# Altium PCB ADAPTONE_CARTE_DE_SON_V2.PcbDoc (part 2 of 2)
Units mil, origin at the board's own origin, x right, y up, seen from the top; angles counter-clockwise.
Board outline 6000 x 4000 mil, 2 copper layers (Top Layer, Bottom Layer); 585 components, 362 nets, 1738 pads, 0 vias.
Unrouted connection lines stored in the file: 1315.
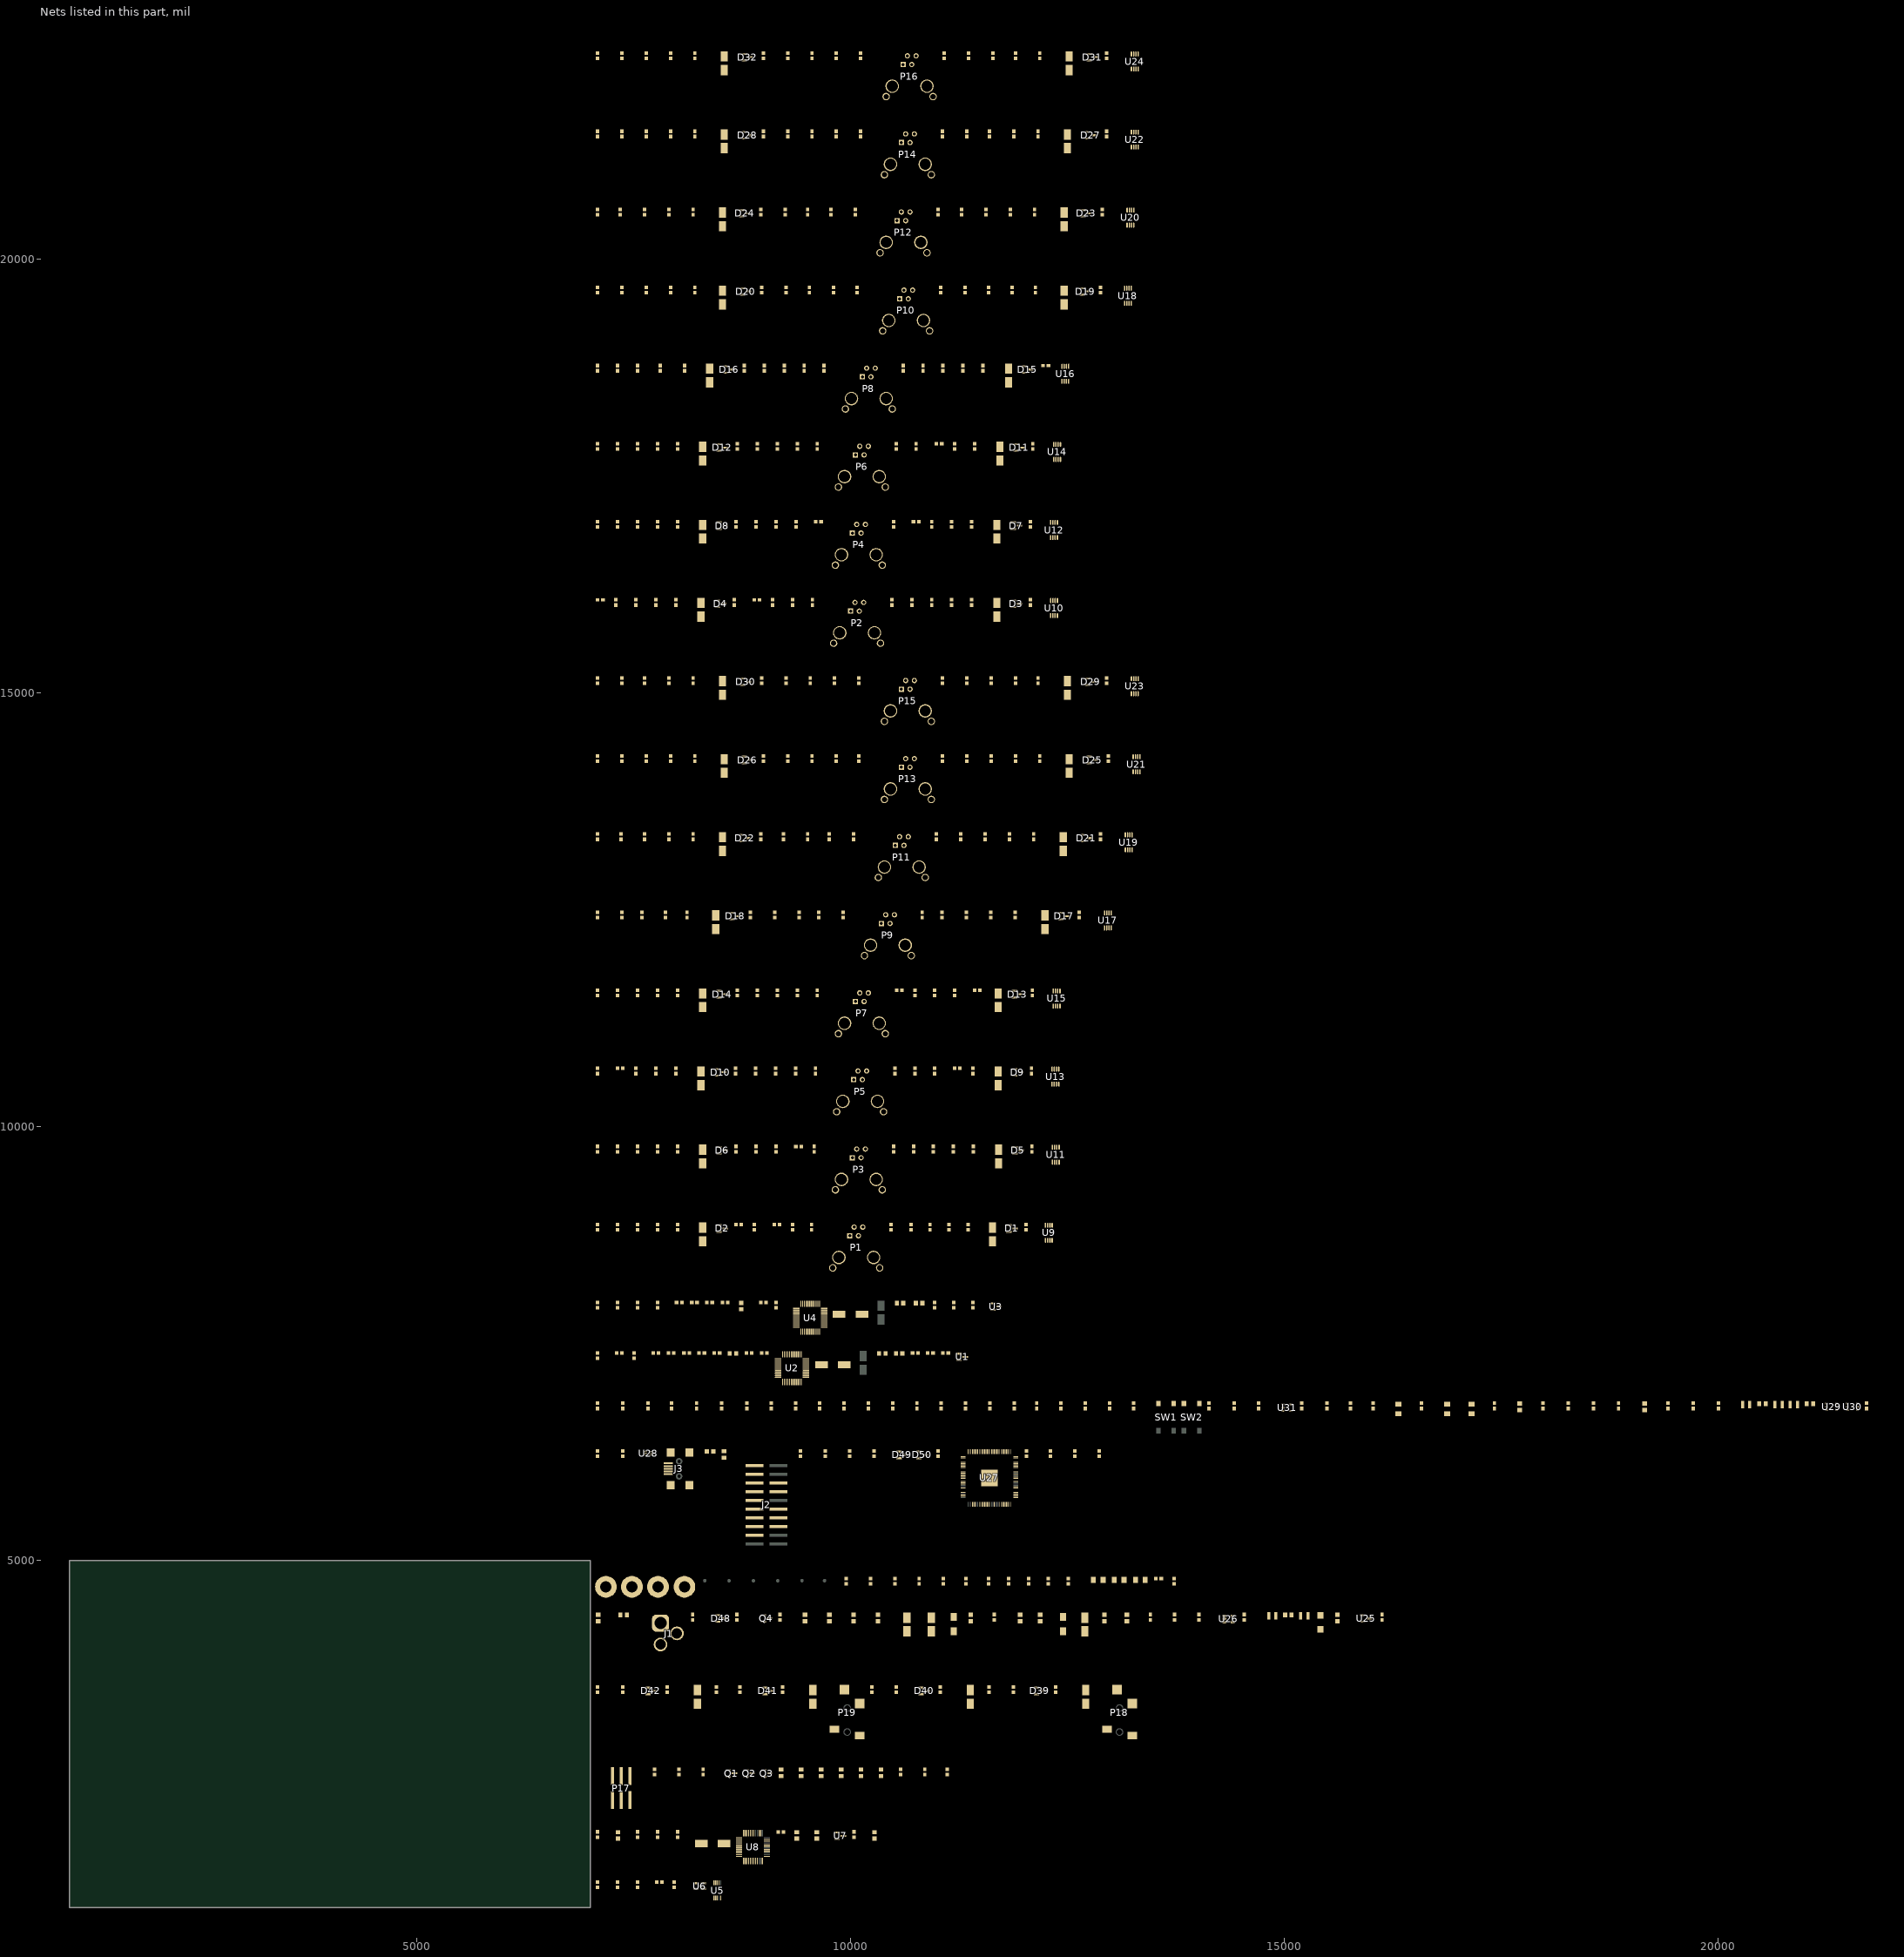
[diagram p2: the nets of this part, all layers, seen from the top]

## Components (designator, comment, footprint, x,y, rotation, side; value= is the part's Value field where it differs from the comment) (continued)
R194 "Resistor" 0603 8020,2560 r90 top value=10k (schematic designator R8)
R195 "Resistor" 0603 8300,2560 r90 top value=10k (schematic designator R9)
R196 "Resistor" 0603 12365,3510 r90 top value=470R (schematic designator R57)
R197 "Resistor" 0603 11595,3510 r90 top value=100k (schematic designator R58)
R198 "Resistor" 0603 11035,3510 r90 top value=470R (schematic designator R59)
R199 "Resistor" 0603 10245,3510 r90 top value=100k (schematic designator R60)
R200 "Resistor" 0603 9215,3510 r90 top value=470R (schematic designator R61)
R201 "Resistor" 0603 8455,3510 r90 top value=100k (schematic designator R62)
R202 "Resistor" 0603 7885,3510 r90 top value=470R (schematic designator R63)
R203 "Resistor" 0603 7085,3510 r90 top value=100k (schematic designator R64)
R204 "Resistor" 0603 16125,4345 r90 top value=470R (schematic designator R10)
R205 "Resistor_PTC" 0805 15610,4335 r90 top value="Ih=1A, It=2A" (schematic designator R11)
R206 "Resistor" 0603 14535,4345 r90 top value=1k (schematic designator R12)
R207 "Resistor" 0603 14015,4345 r90 top value=36k (schematic designator R13)
R208 "Resistor" 0603 11655,4345 r90 top value=10k (schematic designator R14)
R209 "Resistor" 0603 8690,4345 r90 top value=10k (schematic designator R15)
R210 "Resistor" 0603 8180,4345 r90 top value=1k (schematic designator R16)
R211 "Resistor" 0603 11330,4760 r90 top value=33R (schematic designator R17)
R212 "Resistor" 0603 10790,4760 r90 top value=33R (schematic designator R18)
R213 "Resistor" 0603 12305,6230 r90 top value=4k7 (schematic designator R19)
R214 "Resistor" 0603 12585,6230 r90 top value=4k7 (schematic designator R20)
R215 "Resistor" 0603 12865,6230 r90 top value=1k (schematic designator R21)
R216 "Resistor" 0603 12025,6230 r90 top value=10k (schematic designator R22)
R217 "Resistor" 0603 10270,6230 r90 top value=33R (schematic designator R23)
R218 "Resistor" 0603 9990,6230 r90 top value=33R (schematic designator R24)
R219 "Resistor" 0603 9710,6230 r90 top value=33R (schematic designator R25)
R220 "Resistor" 0603 9420,6230 r90 top value=33R (schematic designator R26)
R221 "Resistor" 0603 7375,6230 r90 top value=43R2 (schematic designator R27)
R222 "Resistor" 0603 7085,6230 r90 top value=33R (schematic designator R28)
R223 "Resistor" 0603 21710,6780 r90 top value=470R (schematic designator R45)
R224 "Resistor" 0603 19420,6780 r90 top value=10k (schematic designator R46)
R225 "Resistor" 0603 19710,6780 r90 top value=18k (schematic designator R47)
R226 "Resistor" 0603 20000,6780 r90 top value=4k7 (schematic designator R48)
R227 "Resistor" 0603 18850,6780 r90 top value=100k (schematic designator R49)
R228 "Resistor" 0603 17980,6780 r90 top value=5k6 (schematic designator R50)
R229 "Resistor" 0603 18270,6780 r90 top value=5k6 (schematic designator R51)
R230 "Resistor" 0603 18560,6780 r90 top value=18k (schematic designator R52)
R231 "Resistor" 0603 15490,6780 r90 top value=100k (schematic designator R53)
R232 "Resistor" 0603 15200,6780 r90 top value=4R7 (schematic designator R54)
R233 "Resistor" 0603 14700,6780 r90 top value=10k (schematic designator R55)
R234 "Resistor" 0603 14130,6780 r90 top value=10k (schematic designator R56)
S1 "SCREW" SCREW_4_40 8085,4695 r0 top
S2 "SCREW" SCREW_4_40 7780,4695 r0 top
S3 "SCREW" SCREW_4_40 7480,4695 r0 top
S4 "SCREW" SCREW_4_40 7180,4695 r0 top
SW1 "Button" BUTTON_WS-TASV 13635,6650 r0 top
SW2 "Button" BUTTON_WS-TASV 13930,6650 r0 top
TP1 "TESTPOINT" 0603 13550,4790 r0 top
TP2 "TESTPOINT" 0603 13730,4760 r90 top
TP3 "TESTPOINT" 1206 12855,4775 r0 top
TP4 "TESTPOINT" 1206 13095,4775 r0 top
TP5 "TESTPOINT" 1206 13340,4775 r0 top
TP6 "TESTPOINT" 0603 11590,4760 r90 top
TP7 "TESTPOINT" 0603 11820,4760 r90 top
TP8 "TESTPOINT" 0603 12050,4760 r90 top
TP9 "TESTPOINT" 0603 12280,4760 r90 top
TP10 "TESTPOINT" 0603 12510,4760 r90 top
TP11 "TESTPOINT" 0603 11070,4760 r90 top
TP12 "TESTPOINT" 0603 10230,4760 r90 top
TP13 "TESTPOINT" 0603 10510,4760 r90 top
TP14 "TESTPOINT" 0603 9950,4760 r90 top
TP15 "TESTPOINT" 0603 11010,6230 r90 top
U1 "MCP1700" SOT23_132 11285,7345 r0 top (schematic designator U7)
U2 "CS5368" LQFP_48L_CIRRUS 9325,7215 r0 top (schematic designator U8)
U3 "MCP1700" SOT23_132 11675,7925 r0 top (schematic designator U7)
U4 "CS5368" LQFP_48L_CIRRUS 9535,7795 r0 top (schematic designator U8)
U5 "CS2100_CP" MSOP10 8465,1195 r90 top (schematic designator U1)
U6 "OSC_ASDMB" OSC_ADSMB 8260,1245 r0 top (schematic designator U2)
U7 "MCP1700" SOT23_132 9880,1825 r0 top (schematic designator U13)
U8 "CS4384" LQFP_48L_CIRRUS 8875,1695 r0 top (schematic designator U14)
U9 "OPA_DUAL" SOP127P600-8N 12285,8775 r90 top
U10 "OPA_DUAL" SOP127P600-8N 12345,15975 r90 top (schematic designator U9)
U11 "OPA_DUAL" SOP127P600-8N 12365,9675 r90 top (schematic designator U9)
U12 "OPA_DUAL" SOP127P600-8N 12345,16875 r90 top (schematic designator U9)
U13 "OPA_DUAL" SOP127P600-8N 12360,10575 r90 top (schematic designator U9)
U14 "OPA_DUAL" SOP127P600-8N 12380,17775 r90 top (schematic designator U9)
U15 "OPA_DUAL" SOP127P600-8N 12375,11475 r90 top (schematic designator U9)
U16 "OPA_DUAL" SOP127P600-8N 12475,18675 r90 top (schematic designator U9)
U17 "OPA_DUAL" SOP127P600-8N 12965,12375 r90 top (schematic designator U9)
U18 "OPA_DUAL" SOP127P600-8N 13195,19575 r90 top (schematic designator U9)
U19 "OPA_DUAL" SOP127P600-8N 13205,13275 r90 top (schematic designator U9)
U20 "OPA_DUAL" SOP127P600-8N 13225,20475 r90 top (schematic designator U9)
U21 "OPA_DUAL" SOP127P600-8N 13295,14175 r90 top (schematic designator U9)
U22 "OPA_DUAL" SOP127P600-8N 13275,21375 r90 top (schematic designator U9)
U23 "OPA_DUAL" SOP127P600-8N 13275,15075 r90 top (schematic designator U9)
U24 "OPA_DUAL" SOP127P600-8N 13275,22275 r90 top (schematic designator U9)
U25 "MCP1700" SOT23_132 15940,4330 r0 top (schematic designator U3)
U26 "LM27313XMFX/NOPB" MF05A_N 14355,4325 r0 top (schematic designator U4)
U27 "Value" TQFP128_XMOS 11600,5950 r0 top (schematic designator U5)
U28 "USBLC6-2" USBLC6-2 7670,6235 r0 top (schematic designator U6)
U29 "ST1S06PUR" DFN6_ST1S06 21305,6770 r0 top (schematic designator U10)
U30 "ST1S06PUR" DFN6_ST1S06 21545,6770 r0 top (schematic designator U11)
U31 "MIC2774N-29YM5-TR" SOT23_5 15030,6760 r0 top (schematic designator U12)

## Footprints (in the part's own frame and the unit in brackets; to place one, negate y for a bottom-side part, rotate by r counter-clockwise, add the part's x,y. Pads: shape width x height; smd on the part's side, far side on the other; paste and mask are expansions set on the pad)
0603 [mm]
  rect 1.05x1 smd: 1(-0.775,0) 2(0.775,0)
  silkscreen extent 0,-0.08 0,0.08, body extent -0.85,-0.47 0.85,0.48, height 0.55
0805 [mm]
  rect 1.2x1.35 smd: 1(-0.95,0) 2(0.95,0)
  silkscreen extent -0.15,-0.58 0.15,0.57, body extent -1.1,-0.68 1.1,0.67, height 0.65
0805_LED [mm]
  rect 1.2x1.35 smd: A(0.95,0) K(-0.95,0)
  silkscreen extent -0.15,-0.58 0.15,0.58, body extent -1.1,-0.67 1.1,0.67, height 0.65
1206 [mm]
  rect 1.45x1.8 smd: 1(-1.425,0) 2(1.425,0)
  silkscreen extent -0.3,-0.8 0.3,0.8, body extent -1.73,-0.88 1.72,0.87, height 0.7
BUTTON_WS-TASV [mm]
  rect 1.3x1.55 smd mask+0.12: 1(2.25,3.975) 2(-2.25,3.975) 3(2.25,-3.975) 4(-2.25,-3.975)
  silkscreen extent -3,-3 3,3, body extent -3.1,-4.5 3.1,4.5, height 5
CAP_RAD_SMD_DIA157 [mm]
  rect 3x2.1 smd: +(-2,0) -(2,0)
  silkscreen extent -2.15,-2.15 2.15,2.15, body extent -2.13,-2.15 2.15,2.15, height 5.2
CAP_RAD_SMD_DIA315 [mm]
  rect 3.7x2.1 smd: +(-3.35,0) -(3.35,0)
  silkscreen extent -4.15,-4.15 4.15,4.15, body extent -3.97,-3.99 4,3.99, height 6
CONN4_5555140-2 [mil]
  rect 60x60 hole 35.04 mask+4.72: 1(-75,250)
  round 60 hole 35.04 mask+4.72: 2(-25,350) 3(25,250) 4(75,350)
  round 85 hole 61.81 mask+4.72: M(-270.08,-120.08) M(270.08,-120.08)
  round 155 hole 127.95 mask+4.72: M(-200,0) M(200,0)
  silkscreen extent -250,-210 250,411, body extent -309,-320 311,409, height 537
CONN6_100mils_pol_SMD [mm]
  rect 0.89x5.308 smd mask+0.12: 1(-2.54,-3.504) 2(-2.54,3.504) 3(0,-3.504) 4(0,3.504) 5(2.54,-3.504) 6(2.54,3.504)
  silkscreen extent -7.62,-5.64 7.62,5.1, body extent -7.62,-5.1 7.62,5.1, height 9
CONN20_100mils_pol_SMD [mm]
  rect 0.89x5.308 smd mask+0.12: 1(-11.43,-3.504) 2(-11.43,3.504) 3(-8.89,-3.504) 4(-8.89,3.504) 5(-6.35,-3.504) 6(-6.35,3.504) 7(-3.81,-3.504) 8(-3.81,3.504) 9(-1.27,-3.504) 10(-1.27,3.504) 11(1.27,-3.504) 12(1.27,3.504) 13(3.81,-3.504) 14(3.81,3.504) 15(6.35,-3.504) 16(6.35,3.504) 17(8.89,-3.504) 18(8.89,3.504) 19(11.43,-3.504) 20(11.43,3.504)
  silkscreen extent -16.51,-5.61 16.51,5.1, body extent -16.51,-5.1 16.51,5.1, height 9
CONN_2.5mmID5.5mmOD_RAPC712X [mm]
  rrect50% 5x5 hole 3.56 mask+0.12: 1(0,6.25)
  round 4 hole 3.05 mask+0.12: 2(0,0) 3(4.8,3.25)
  silkscreen extent -4.5,-7.49 4.5,7.01, body extent -7.6,-7.53 7.42,9.53, height 10.85
"CONN_3.5mm_CUI 3523-SMT" [mm]
  rect 2.2x2.8 smd mask+0.12: 1(3.4,-3.7)
  rect 2.8x2.8 smd mask+0.12: 2(12.8,-3.7) 4(16.9,0.75)
  rect 2x2.8 smd mask+0.12: 3(5.3,3.7)
  rrect100% 2.2x2.2 hole 1.65 mask+0.02: ""(4.5,0)
  rrect100% 2.159x2.159 hole 1.65 mask+0.02: ""(11.5,0)
  silkscreen extent -1.5,-3.35 15.5,3.35, body extent -1.5,-4.5 15.5,4.5, height 5
CONN_USB_MINIB_690-005-299-043 [mm]
  rect 2.6x0.5 smd mask+0.076: 1(-3.1,-1.6) 2(-3.1,-0.8) 3(-3.1,0) 4(-3.1,0.8) 5(-3.1,1.6)
  rect 2.3x2.4 smd: MH1(-2.4,-4.75) MH2(3.1,-4.75) MH3(3.1,4.75) MH4(-2.4,4.75)
  round 1.905 hole 1: ""(0.1,-2.2) ""(0.1,2.2)
  silkscreen extent -4.17,-2.43 -3.92,-2.18, body extent -3.33,-5.12 5.97,5.13, height 4.24
DFN6_ST1S06 [mm]
  rect 0.8x0.45 smd: 1(-1.45,0.95) 2(-1.45,0) 3(-1.45,-0.95) 4(1.45,-0.95) 5(1.45,0) 6(1.45,0.95)
  rect 0.35x0.35 smd: PAD(0,0)
  Top Layer region: -0.75,1 -0.5,1.25 0.75,1.25 0.75,-1.25 -0.75,-1.25
  silkscreen extent -2.47,-1.5 0.65,1.5, body extent -1.5,-1.5 1.5,1.5, height 0.9
DIODE_DO-214AC/SMA [mm]
  rect 2.3x1.8 smd: A(2.125,0) K(-2.125,0)
  silkscreen extent -3.05,-1.4 2.25,1.78, body extent -2.25,-1.39 2.25,1.4, height 2.29
DIODE_SMA [mil]
  rect 74x66 smd: A(81,0) K(-81,0)
  silkscreen extent -117,-56 89,57, body extent -89,-56 89,56, height 98
FIDUCIAL [mm]
  rrect100% 1x1 smd mask+1: 0(0,0)
IND_252012CDMC/DS [mm]
  rect 0.9x2.2 smd: 1(-1.05,0) 2(1.05,0)
  silkscreen extent -0.05,-1 0.05,1, body extent -1.25,-1 1.25,1, height 1.2
LQFP_48L_CIRRUS [mm]
  rrect50% 1.85x0.3 smd mask+0.06: 1(-4.075,2.75) 2(-4.075,2.25) 3(-4.075,1.75) 4(-4.075,1.25) 5(-4.075,0.75) 6(-4.075,0.25) 7(-4.075,-0.25) 8(-4.075,-0.75) 9(-4.075,-1.25) 10(-4.075,-1.75) 11(-4.075,-2.25) 12(-4.075,-2.75) 25(4.075,-2.75) 26(4.075,-2.25) 27(4.075,-1.75) 28(4.075,-1.25) 29(4.075,-0.75) 30(4.075,-0.25) 31(4.075,0.25) 32(4.075,0.75) 33(4.075,1.25) 34(4.075,1.75) 35(4.075,2.25) 36(4.075,2.75)
  rrect50% 0.3x1.85 smd mask+0.06: 13(-2.75,-4.075) 14(-2.25,-4.075) 15(-1.75,-4.075) 16(-1.25,-4.075) 17(-0.75,-4.075) 18(-0.25,-4.075) 19(0.25,-4.075) 20(0.75,-4.075) 21(1.25,-4.075) 22(1.75,-4.075) 23(2.25,-4.075) 24(2.75,-4.075) 37(2.75,4.075) 38(2.25,4.075) 39(1.75,4.075) 40(1.25,4.075) 41(0.75,4.075) 42(0.25,4.075) 43(-0.25,4.075) 44(-0.75,4.075) 45(-1.25,4.075) 46(-1.75,4.075) 47(-2.25,4.075) 48(-2.75,4.075)
  silkscreen extent -4.81,-2.75 2.75,3.45, body extent -4.5,-4.5 4.5,4.5, height 1.6
MF05A_N [mm]
  rect 1.1x0.65 smd: 1(-1.2,0.95) 2(-1.2,0) 3(-1.2,-0.95) 4(1.2,-0.95) 5(1.2,0.95)
  silkscreen extent -1.32,-1.5 0.25,1.95, body extent -0.83,-1.49 0.83,1.5, height 1.19
MSOP10 [mm]
  rect 1.4x0.3 smd mask+0.04: 1(-2.25,1) 2(-2.25,0.5) 3(-2.25,0) 4(-2.25,-0.5) 5(-2.25,-1) 6(2.25,-1) 7(2.25,-0.5) 8(2.25,0) 9(2.25,0.5) 10(2.25,1)
  silkscreen extent -2.82,-1.6 1.2,1.82, body extent -2.4,-1.5 2.4,1.5, height 1.1
OSC_ADSMB [mm]
  rect 1.55x0.65 smd mask+0.07: 1(-1.125,0.825) 2(-1.125,-0.825) 3(1.125,-0.825) 4(1.125,0.825)
  silkscreen extent -2.57,-1.6 1.6,1.6, body extent -1,-1.25 1,1.25, height 0.86
SCREW_4_40 [mil]
  rrect100% 250x250 hole 130 mask+0.79: 1(0,0)
SOP127P600-8N [mm]
  oval 1.45x0.401 smd mask+0.04: 1(-2.2,0.975) 2(-2.2,0.325) 3(-2.2,-0.325) 4(-2.2,-0.975) 5(2.2,-0.975) 6(2.2,-0.325) 7(2.2,0.325) 8(2.2,0.975)
  silkscreen extent -2.32,-1.55 0.93,1.87, body extent -1.55,-1.55 1.55,1.55, height 1.1
SOT23_5 [mm]
  rect 0.9x0.6 smd mask+0.07: 1(-1.2,0.95) 2(-1.2,0) 3(-1.2,-0.95) 4(1.2,-0.95) 5(1.2,0.95)
  silkscreen extent -1.32,-1.5 0.35,1.92, body extent -0.87,-1.5 0.87,1.5, height 1.45
SOT23_132 [mm]
  rect 1.55x0.55 smd: 1(-0.925,0.95) 2(-0.925,-0.95) 3(0.925,0)
  silkscreen extent -1.05,-1.5 0.7,1.9, body extent -0.7,-1.5 0.7,1.5, height 1.2
SOT23_GDS [mm]
  rect 1.55x0.55 smd: D(0.925,0) G(-0.925,0.95) S(-0.925,-0.95)
  silkscreen extent -1.05,-1.5 0.7,1.9, body extent -0.7,-1.5 0.7,1.5, height 1.2
TQFP128_XMOS [mm]
  rect 1.45x0.2 smd mask+0.051: 1(-7.7,6.2) 2(-7.7,5.8) 3(-7.7,5.4) 4(-7.7,5) 5(-7.7,4.6) 6(-7.7,4.2) 7(-7.7,3.8) 8(-7.7,3.4) 9(-7.7,3) 10(-7.7,2.6) 11(-7.7,2.2) 12(-7.7,1.8) 13(-7.7,1.4) 14(-7.7,1) 15(-7.7,0.6) 16(-7.7,0.2) 17(-7.7,-0.2) 18(-7.7,-0.6) 19(-7.7,-1) 20(-7.7,-1.4) 21(-7.7,-1.8) 22(-7.7,-2.2) 23(-7.7,-2.6) 24(-7.7,-3) 25(-7.7,-3.4) 26(-7.7,-3.8) 27(-7.7,-4.2) 28(-7.7,-4.6) 29(-7.7,-5) 30(-7.7,-5.4) 31(-7.7,-5.8) 32(-7.7,-6.2) 65(7.7,-6.2) 66(7.7,-5.8) 67(7.7,-5.4) 68(7.7,-5) 69(7.7,-4.6) 70(7.7,-4.2) 71(7.7,-3.8) 72(7.7,-3.4) 73(7.7,-3) 74(7.7,-2.6) 75(7.7,-2.2) 76(7.7,-1.8) 77(7.7,-1.4) 78(7.7,-1) 79(7.7,-0.6) 80(7.7,-0.2) 81(7.7,0.2) 82(7.7,0.6) 83(7.7,1) 84(7.7,1.4) 85(7.7,1.8) 86(7.7,2.2) 87(7.7,2.6) 88(7.7,3) 89(7.7,3.4) 90(7.7,3.8) 91(7.7,4.2) 92(7.7,4.6) 93(7.7,5) 94(7.7,5.4) 95(7.7,5.8) 96(7.7,6.2)
  rect 0.2x1.45 smd mask+0.051: 33(-6.2,-7.7) 34(-5.8,-7.7) 35(-5.4,-7.7) 36(-5,-7.7) 37(-4.6,-7.7) 38(-4.2,-7.7) 39(-3.8,-7.7) 40(-3.4,-7.7) 41(-3,-7.7) 42(-2.6,-7.7) 43(-2.2,-7.7) 44(-1.8,-7.7) 45(-1.4,-7.7) 46(-1,-7.7) 47(-0.6,-7.7) 48(-0.2,-7.7) 49(0.2,-7.7) 50(0.6,-7.7) 51(1,-7.7) 52(1.4,-7.7) 53(1.8,-7.7) 54(2.2,-7.7) 55(2.6,-7.7) 56(3,-7.7) 57(3.4,-7.7) 58(3.8,-7.7) 59(4.2,-7.7) 60(4.6,-7.7) 61(5,-7.7) 62(5.4,-7.7) 63(5.8,-7.7) 64(6.2,-7.7) 97(6.2,7.7) 98(5.8,7.7) 99(5.4,7.7) 100(5,7.7) 101(4.6,7.7) 102(4.2,7.7) 103(3.8,7.7) 104(3.4,7.7) 105(3,7.7) 106(2.6,7.7) 107(2.2,7.7) 108(1.8,7.7) 109(1.4,7.7) 110(1,7.7) 111(0.6,7.7) 112(0.2,7.7) 113(-0.2,7.7) 114(-0.6,7.7) 115(-1,7.7) 116(-1.4,7.7) 117(-1.8,7.7) 118(-2.2,7.7) 119(-2.6,7.7) 120(-3,7.7) 121(-3.4,7.7) 122(-3.8,7.7) 123(-4.2,7.7) 124(-4.6,7.7) 125(-5,7.7) 126(-5.4,7.7) 127(-5.8,7.7) 128(-6.2,7.7)
  rect 4.8x4.8 smd paste-5: 129(0,0)
  silkscreen extent -8.32,-6.55 6.55,6.97, body extent -7,-7 7,7, height 1.01
USBLC6-2 [mm]
  rect 0.99x0.3 smd mask+0.05: 1(-0.805,0.5) 2(-0.805,0) 3(-0.805,-0.5) 4(0.805,-0.5) 5(0.805,0) 6(0.805,0.5)
  silkscreen extent -0.93,-0.85 0.05,1.32, body extent -0.65,-0.85 0.65,0.85, height 0.6
